# Altium PCB STM32Intf.PcbDoc (continued)
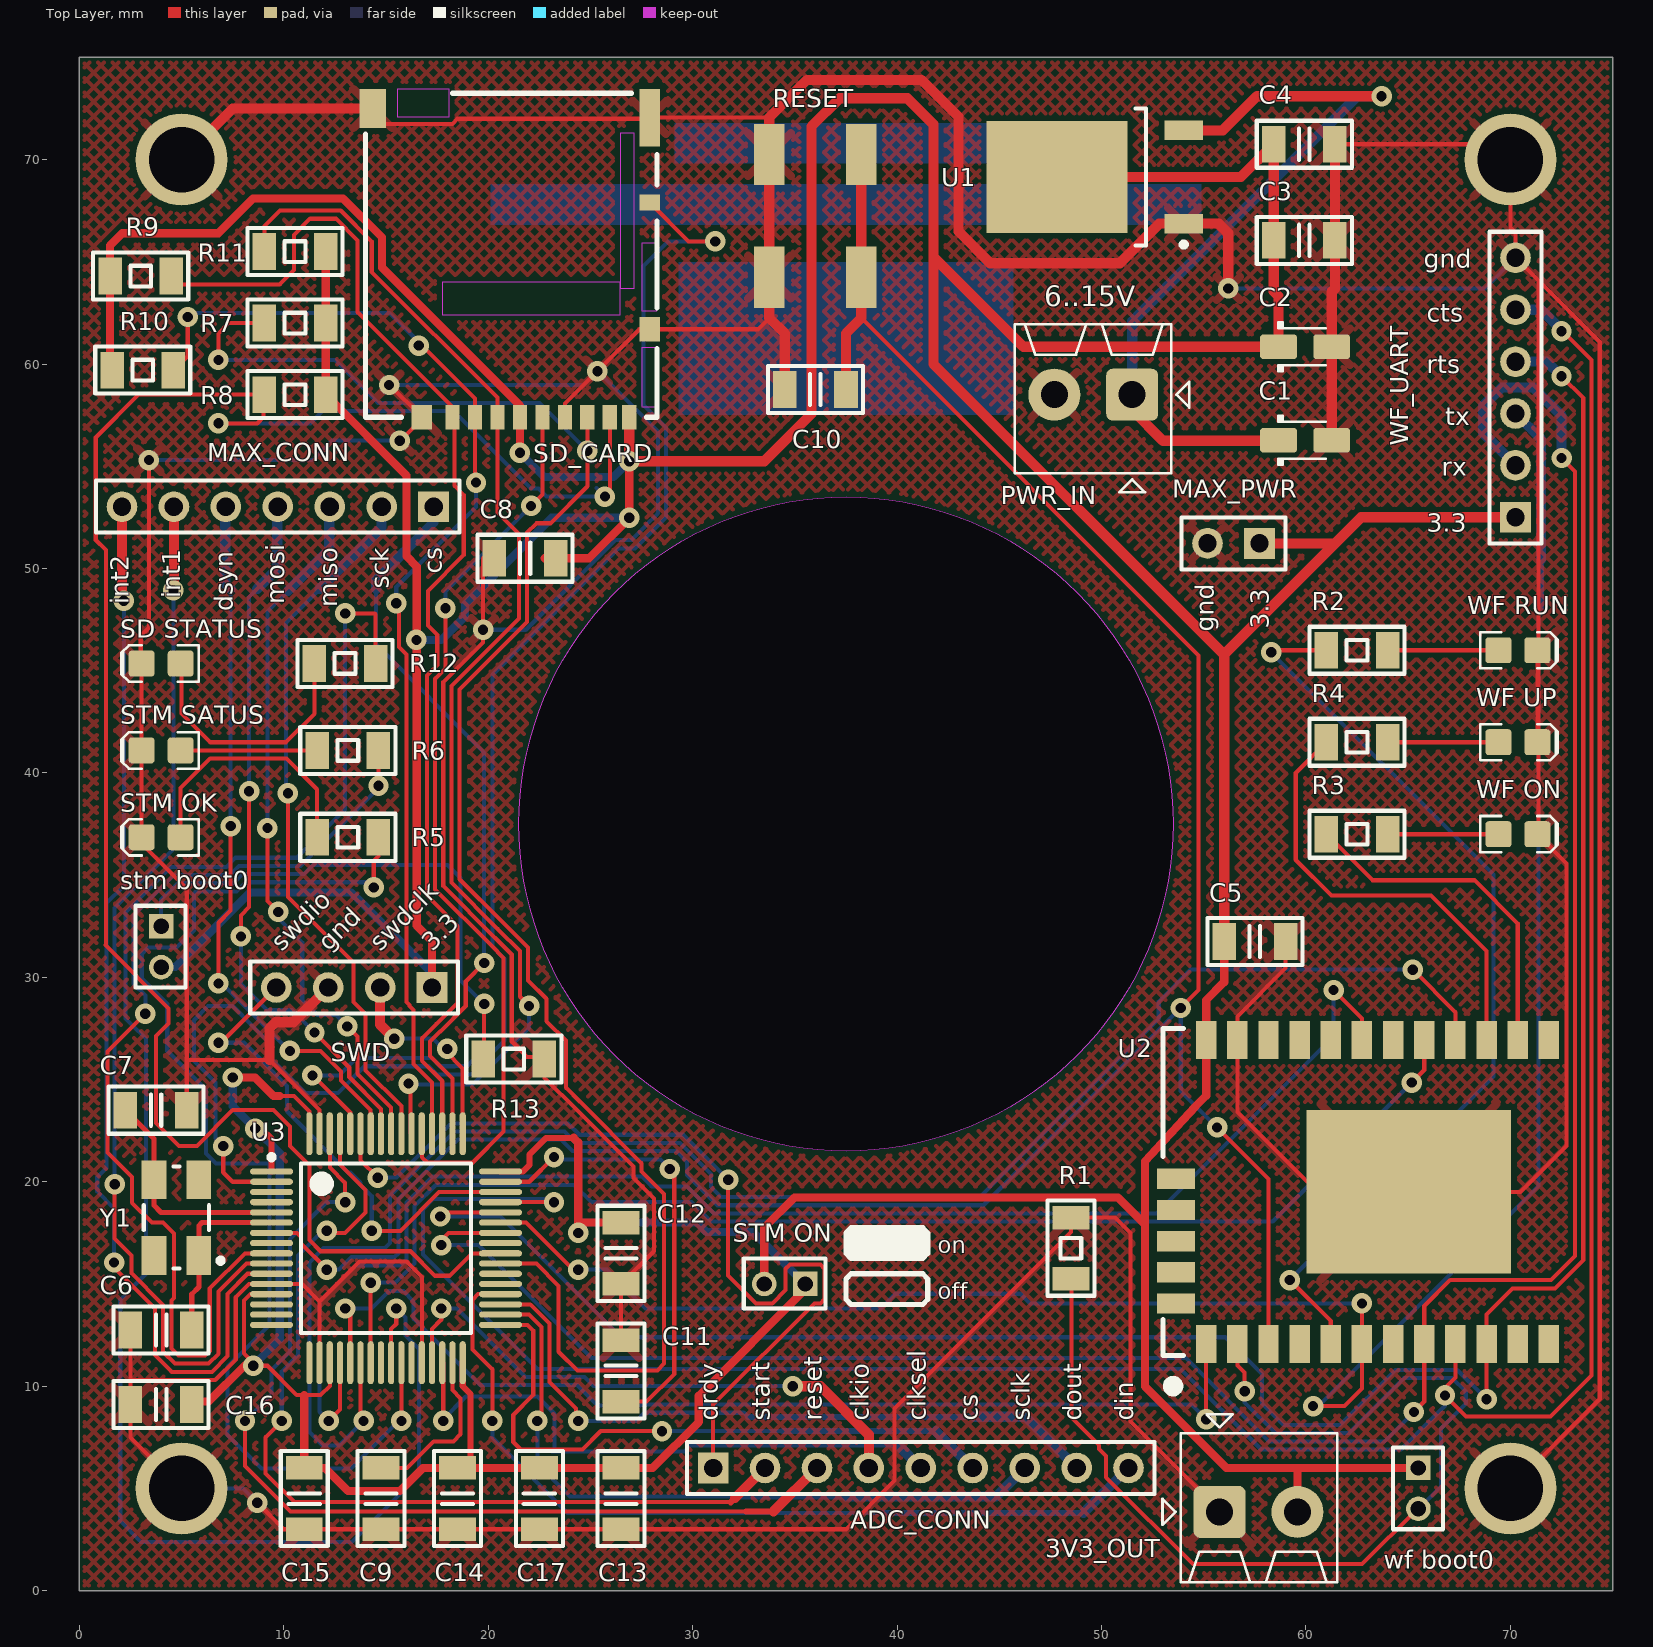
[diagram p0: Top Layer view]
## Nets (pads, with @x,y where several pads share a name; then routed paths per layer and width w, separated by ;. In a path a pad name is that pad's centre, name@x,y a point inside that pad or via, vN(x,y) a via of type N, cw(c..) or ccw(c..) an arc to the next point about the centre after c; other vN are vias at no path point)
3.3VDC: 3V3_OUT.2 "stm boot0.2" "STM ON.2" "wf boot0.1" C2.1 C3.1 C4.1 C5.1 C8.2 MAX_PWR.1 R7.1 R8.1 R9.1 R10.1 R11.1 SD_CARD.4 SD_CARD.9 SWD.1 U1.4 U2.24 WF_UART.1 | length 319.5
  Top Layer w0.4: R10.1@1.5,59.8 R9.1 1.5,65.8 2.1,66.4 6.8,66.4 8.5,68.1 12.9,68.1 14.8,66.2 14.8,64.714 21.55,57.964 SD_CARD.4 v1(21.55,55.659) ; R11.1 R7.1 R8.1 16,54.55 16,50.6 16.5,50.1 v1@16.5,46.5 ; v1(16.485,46.507) 16.5,46.492 16.5,32.532 17.25,31.782 SWD.1 ; C8.2@22.75,50.5 24.924,50.5 v1(26.9,52.476) v1(26.9,55.246) ; SD_CARD.9@26.9,57.379 SD_CARD.9 ; 33.5,15 33.5,17.752 34.976,19.228 50.8,19.228 52.121,17.907 ; C5.1 56,29.762 55.118,28.88 55.118,24.206 54.585,23.673 52.121,21.006 52.121,17.907 ; 59.525,5.95 59.585,5.89 3V3_OUT.2 ; 65.5,6 56.103,6 52.121,9.982 52.121,17.907
  Top Layer w0.5: SD_CARD.9@26.9,57.379 v1(26.9,55.246) 33.496,55.246 35.814,57.564 35.814,71.622 37.192,73 40.5,73 41.774,71.726 41.774,65.25 ; U1.4 56.818,69.149 C4.1 C3.1 58.419,63.561 58.658,63.322 C2.1 46.179,60.845 41.774,65.25 ; C5.1 56,45.8 ; MAX_PWR.1 61.425,51.225 ; 62.55,52.35 61.425,51.225 ; 62.562,52.363 62.7,52.5 WF_UART.1 ; 41.774,65.25 41.774,60 55.974,45.8 56,45.8 ; 56,45.8 61.425,51.225
  Bottom Layer w0.4: 4,30.5 4.7,30.5 8.35,34.15 13.3,34.15 13.444,34.006 13.45,34.006 17.25,30.206 SWD.1 ; v1(16.485,46.507) 17.704,46.507 18.857,47.661 18.857,48.245 23.089,52.476 v1(26.9,52.476) ; v1(21.55,55.659) 22.741,54.468 26.121,54.468 v1(26.9,55.246)
C\S\3: MAX_CONN.1 U3.50 | length 35.7
  Top Layer w0.2: U3.50 18.25,25.048 17.15,26.148 17.15,26.852 17.648,27.35 17.661,27.35 18.9,28.589 18.9,29.8 v1(19.8,30.7) v1@19.9,30.8
  Bottom Layer w0.2: 14.5,49 14.5,46.3 19.8,41 v1(19.8,30.7)
  Bottom Layer w0.5: 14.525,49 14.525,49.45 17.325,52.25 MAX_CONN.1
CLKIO: ADC_CONN.4 U3.29 | length 27.9
  Top Layer w0.2: U3.29 17.25,12.8 17.7,13.25 v1(17.7,13.8)
  Top Layer w0.5: v1(34.9,10) 36.25,10 38.62,7.63 ADC_CONN.4
  Bottom Layer w0.2: v1(17.7,13.8) 18.475,13.8 21.825,10.45 24.7,10.45 25.15,10 v1(34.9,10)
CLKSEL: ADC_CONN.5 U3.30 | length 33.3
  Top Layer w0.2: U3.30 17.8,11.1 v1@17.8,8.4
  Bottom Layer w0.2: v1@17.8,8.4 18.9,9.5 22.402,9.5 23.25,8.652 23.25,6.936 23.128,6.814 23.128,6.807 29.591,6.807 29.896,7.112 40.048,7.112
  Bottom Layer w0.3: 36.3,7.15 36.35,7.2 39.96,7.2
  Bottom Layer w0.5: 39.96,7.2 40.048,7.112 ADC_CONN.5
  other v1: 17.8,8.3
CS: ADC_CONN.6 U3.33 | length 31.3
  Top Layer w0.2: U3.33 21.925,13 22.2,12.725 22.2,9.574 21.223,8.597 21.223,7.264 21.59,6.897 24.601,6.897 25.504,7.8 v1(28.5,7.8)
  Bottom Layer w0.2: v1(28.5,7.8) 34.4,7.8
  Bottom Layer w0.3: 34.4,7.8 41.9,7.8
  Bottom Layer w0.5: 41.9,7.8 ADC_CONN.6
D\R\D\Y\: ADC_CONN.1 U3.59 | length 45.5
  Top Layer w0.2: U3.59 13.75,21.05 v1(14.6,20.2) ; ADC_CONN.1 31,9.1 35.95,14.05 36.245,14.05 36.45,14.255 36.45,15.745 36.245,15.95 34.755,15.95 34.55,15.745 34.55,14.706 33.894,14.05 33.106,14.05 31.737,15.419 v1(31.737,20.1)
  Bottom Layer w0.2: v1(14.6,20.2) 15.519,20.2 18.178,22.859 23.899,22.859 24.458,22.3 29.537,22.3 v1(31.737,20.1)
DIN: ADC_CONN.9 U3.36 | length 42.2
  Top Layer w0.2: v1(20.2,8.3) 20.2,10.827 19.228,11.8 19.228,14.224 19.504,14.5 U3.36
  Bottom Layer w0.2: v1(20.2,8.3) 20.2,7.486 23.886,3.8 39.2,3.8
  Bottom Layer w0.3: 39.2,3.8 49.12,3.8
  Bottom Layer w0.5: 49.12,3.8 ADC_CONN.9
DOUT: ADC_CONN.8 U3.35 | length 33.7
  Top Layer w0.2: U3.35 22.056,14 23,13.056 23,10.2 24.3,8.9 v1@24.3,8.3
  Bottom Layer w0.2: v1(24.4,8.3) 27.25,8.3 27.65,8.7 32.5,8.7 32.7,8.5
  Bottom Layer w0.3: 32.7,8.5 43.8,8.5
  Bottom Layer w0.5: 43.8,8.5 46.28,8.5 ADC_CONN.8
DSYNC: MAX_CONN.5 U3.58 | length 35.3
  Top Layer w0.2: v1(6.8,29.7) 6.8,32.67 7.4,33.27 v1(7.4,37.4) ; v1(10.3,26.4) 11.8,26.4 12.8,25.4 12.8,24.95 14.25,23.5 U3.58
  Bottom Layer w0.2: v1(6.8,29.7) 6.968,29.7 10.268,26.4 v1(10.3,26.4) ; 7.4,49 v1(7.4,37.4) v1@7.5,37.5
  Bottom Layer w0.5: MAX_CONN.5@7.175,53.05 7.14,53.015 7.14,49.26 7.4,49
GND: 3V3_OUT.1 "SD STATUS.K" "STM OK.K" "STM SATUS.K" "WF ON.K" "WF RUN.K" "WF UP.K" C1.2 C2.2 C3.2 C4.2 C5.2 C6.2 C7.2 C8.1 C9.2 C10.2 C11.2 C12.1 C13.1 C14.1 C15.1 C16.1 C17.1 MAX_PWR.2 pad.gnd PWR_IN.2 R1.2 R13.2 RESET.0 SD_CARD.6 SWD.3 U1.1 U2.23 U2.25 U3.12 U3.18 U3.28 U3.63 WF_UART.6 | length 516.1
  Top Layer w0.2: C6.2 2.5,7.5 pad.gnd@5,5 ; 2.575,10.3 6.646,10.3 7.65,11.304 7.65,11.384 7.65,14.009 7.65,14.352 8.298,15 U3.12 10.902,15 11.75,14.152 ; 3,45.4 3,46.7 3.4,47.1 v1(3.4,55.3) ; 3.048,45.4 3.048,45.35 3.048,36.552 5.25,34.35 5.25,26 ; C7.2 5.25,26 ; v1(8.7,4.3) 10,3 C15.1 12.852,3 37.5,3 39.878,5.378 39.878,8.915 48.514,17.551 R1.2@48.514,18.25 ; U3.18 11.75,13.9 11.75,14.152 ; U3.63 11.75,23.506 9.306,25.95 7.148,25.95 5.3,25.95 5.25,26 ; SD_CARD.6@14.35,71.75 18.245,71.75 18.495,72 27.85,72 27.9,72.05 27.9,72.06 33.75,72.06 ; v1(15.15,58.975) 15.15,59 16.75,57.4 16.75,57.3 v1@15.675,56.225 ; U3.28 16.75,15.35 16,16.1 13.698,16.1 12.95,15.352 12.95,15.348 12.452,14.85 12.448,14.85 11.75,14.152 ; v1(19.75,47) 19.75,47.965 ; C8.1@19.75,50.5 19.75,46.387 17.8,44.437 17.8,34.466 20.316,31.95 20.318,31.95 21.15,31.118 21.15,26.85 21.9,26.1 R13.2@22.7,26.1 ; R13.2 22.75,25.084 24.334,23.5 24.338,23.5 27.1,20.738 27.1,20.184 28.1,19.184 28.1,16.6 C12.1 C11.2 ; SD_CARD.6@23.75,57.4 23.75,58.063 v1(25.338,59.651) 27.387,61.7 ; SD_CARD.6@27.9,61.7 33.2,61.7 33.75,62.25 ; R1.2 R1.2@48.514,18.25 ; 3V3_OUT.1@54.69,5 51.41,8.28 51.41,17.503 50.663,18.25 R1.2@48.514,18.25 ; C5.2 59,30.45 56.642,28.092 56.642,23.419 60.561,19.5 70.5,19.5 72.75,21.75 72.75,35.572 71.322,37 71.374,37.052 71.374,64.076 ; C1.2@60.96,56.273 C1.2 ; C4.2@61.42,70 C4.2 69.249,70.751 70,70 70,66.675 70.25,66.425 WF_UART.6 71.374,64.076 ; pad.gnd@70,5 74.371,9.371 74.371,61.079 71.374,64.076 ; 71.322,41.5 71.322,46
  Top Layer w0.5: pad.gnd@5,70 7.5,72.5 SD_CARD.6@14.35,72.5 ; 9.306,25.95 9.3,25.956 9.3,27.5 9.6,27.8 10.47,27.8 SWD.3 ; C10.2 34.5,61.5 33.75,62.25 33.75,64.25 33.75,70.25 33.75,72.06 35.59,73.9 41.194,73.9 43,72.094 43,66.494 44.559,64.935 50.889,64.935 52.823,66.869 U1.1 55.731,66.869 56.2,66.4 v1(56.2,63.7) ; C1.2 61.258,58.5 61.258,63.563 61.313,63.563 61.42,63.67 C3.2 C4.2@61.42,70
  Bottom Layer w0.2: v1(3.4,55.3) 11.425,55.3 11.525,55.4 ; pad.gnd@5,5 8,5 v1(8.7,4.3) ; pad.gnd@5,70 pad.gnd@5.35,69.65 ; 11.525,55.425 12.35,56.25 v1(15.675,56.25) ; v1(15.15,58.975) 24.662,58.975 v1(25.338,59.651) 28.3,56.688 28.3,52.7 28.2,52.6 27.75,52.15 27.75,52.124 27.009,51.383 26.217,51.383 21.834,47 v1(19.75,47) ; v1(56.2,63.7) 68.75,63.7 WF_UART.6
INT1: MAX_CONN.6 U3.10 | length 56
  Top Layer w0.2: v1(1.725,19.875) 1.725,17.227 2.55,16.402 2.55,15.526 4.051,14.025 4.1,13.975 4.1,11.685 4.685,11.1 6.315,11.1 6.8,11.585 6.8,14.633 8.167,16 U3.10 ; v1(4.6,48.925) 4.6,52
  Top Layer w0.5: v1@4.625,48.9 MAX_CONN.6
  Bottom Layer w0.2: v1(1.725,19.875) 1.725,33.4 4.6,36.275 v1(4.6,48.925)
INT2: MAX_CONN.7 U3.11 | length 53.4
  Top Layer w0.2: v1(1.7,16.05) 1.45,16.05 3.7,13.8 3.7,11.519 4.519,10.7 6.481,10.7 7.25,11.469 7.25,12.619 7.25,13.844 7.25,14.518 8.232,15.5 U3.11
  Top Layer w0.5: MAX_CONN.7 2.085,48.54 v1@2.2,48.425
  Bottom Layer w0.2: v1(1.7,16.05) 1.7,18.698 0.875,19.523 0.875,20.227 1.325,20.677 1.325,33.625 2.175,34.475 v1(2.175,48.425)
MISO3: MAX_CONN.3 U3.56 | length 35
  Top Layer w0.2: v1(9.2,37.3) 9.2,33.732 9.73,33.202 v1(9.73,33.2) ; v1(13.1,27.6) 13.6,27.1 13.6,25.281 15.25,23.631 U3.56
  Bottom Layer w0.2: v1(9.2,37.3) 9.2,47.9 10.2,48.9 ; v1(9.73,33.2) 9.73,32.87 10.9,31.7 10.9,28.9 11.65,28.15 12.55,28.15 v1(13.1,27.6)
  Bottom Layer w0.5: 10.2,48.9 12.22,50.92 12.22,52.995 MAX_CONN.3@12.3,53.075
MOSI3: MAX_CONN.4 U3.57 | length 34.9
  Top Layer w0.2: v1(7.9,32) 7.9,33.03 8.3,33.43 v1(8.3,39.1) ; v1(11.5,27.3) 13.2,25.6 13.2,25.116 14.75,23.566 U3.57
  Bottom Layer w0.2: v1(7.9,32) 7.9,29.674 9.174,28.4 10.4,28.4 v1(11.5,27.3) ; v1(8.3,39.1) 8.3,48.6 8.7,49
  Bottom Layer w0.5: 8.7,49 9.68,49.98 9.68,52.92 MAX_CONN.4@9.675,52.925
NetC1_1: C1.1 PWR_IN.1 U1.3 | length 39.3
  Top Layer w0.5: PWR_IN.1 51.5,57.75 53,56.25 C1.1@58.5,56.25 ; U1.3 55.929,71.429 57.6,73.1 v1(63.7,73.1) ; C1.1@58.5,56.273 C1.1
  Bottom Layer w0.5: PWR_IN.1 51.5,62.1 62.5,73.1 v1(63.7,73.1)
NetC6_1: C6.1 U3.6 Y1.1 | length 8.9
  Top Layer w0.254: C6.1 5.5,14.5 5.85,14.85 Y1.1 5.85,17.85 6,18 U3.6
NetC7_1: C7.1 U3.5 Y1.3 | length 11.1
  Top Layer w0.254: C7.1 3.65,22.1 Y1.3 3.65,18.85 4,18.5 U3.5
NetC9_1: C9.1 U3.31 | length 8.2
  Top Layer w0.2: C9.1 16.032,6 17.332,7.3 18.3,7.3 18.65,7.65 18.65,9.404 18.25,9.804 U3.31
NetC11_1: C11.1 U3.47 | length 22.3
  Top Layer w0.2: U3.47 22.007,20 v1(23.216,21.209) ; C11.1 27.75,9.25 29.1,10.6 29.1,20.404 v1(28.879,20.625)
  Bottom Layer w0.2: v1(23.216,21.209) 23.344,21.081 28.423,21.081 v1(28.879,20.625)
NetC12_2: "STM ON.1" C12.2 C13.2 C14.2 C15.2 C16.2 C17.2 U3.1 U3.13 U3.19 U3.32 U3.48 U3.64 | length 100.6
  Top Layer w0.2: v1(8.5,11) 9.2,11 10.632,9.568 11,9.568 11.8,9.568 12.25,10.018 U3.19 ; v1@8.58,11.08 8.05,11.61 8.05,14.175 8.05,14.186 8.364,14.5 U3.13 ; 9.8,24.2 9.809,24.191 10.5,24.191 11.25,23.441 U3.64
  Top Layer w0.3: v1(8.6,22.6) 8.9,22.6 9.4,22.1 U3.1 ; U3.32 18.75,10.003 19.126,9.627 C14.2@19.126,6 ; U3.48 21.694,20.5 22.022,20.828 22.022,21.336 22.835,22.149 24.181,22.149
  Top Layer w0.4: C16.2@5.5,9.25 6.325,9.25 8.075,11 v1(8.5,11) ; v1(7.5,25.1) 8.6,25.1 9.5,24.2 9.8,24.2 ; 11,9.568 C15.2 12.014,6 13.139,4.875 15.675,4.875 16.8,6 19.126,6 C13.2 28.044,6 30.3,8.256 30.3,9.529 35.5,14.729 35.5,15 ; 24.181,22.149 24.4,21.93 v1@24.4,18 ; v1(24.4,17.5) v1@24.4,18 ; C12.2 v1@24.4,18
  Bottom Layer w0.4: v1(7.5,25.1) 7.5,23.7 v1(8.6,22.6) 9.8,21.4 9.8,12.3 v1(8.5,11) ; v1@24.4,18 30.231,18 30.681,17.55 32.95,17.55 35.5,15
NetR1_1: "wf boot0.2" R1.1 U2.2 | length 51.2
  Top Layer w0.2: R1.1 48.539,15.25 48.539,8.458 49.886,7.112 49.886,6.925 50.22,6.591 50.22,5.544 54.464,1.3 62.75,1.3 65.45,4 ; U2.2 56.642,11.021 57,10.663 v1(57,9.75) ; 65.5,4 65.45,4 ; 65.5,4.05 65.45,4
  Bottom Layer w0.2: v1(57,9.75) 57,9.2 58.5,7.7 62.1,7.7 64.8,10.4 67.154,10.4 67.818,9.736 67.818,9.144 66.599,7.925 66.599,5.099 65.5,4
NetR2_1: R2.1 U2.5 | length 46
  Top Layer w0.2: v1(58.3,45.9) 58.3,46 R2.1@60.869,46 ; v1(59.207,15.189) 61.214,13.183 U2.5
  Bottom Layer w0.2: v1(58.3,45.9) 69.176,35.024 69.176,25.158 v1(59.207,15.189)
NetR2_2: "WF RUN.A" R2.2 | length 5.5
  Top Layer w0.2: R2.2@63.869,46 69.417,46
NetR3_1: R3.1 U2.14 | length 16.9
  Top Layer w0.2: R3.1 63.25,34.75 68.25,34.75 70.358,32.642 U2.14
NetR3_2: "WF ON.A" R3.2 | length 5.4
  Top Layer w0.2: R3.2 69.417,37
NetR4_1: R4.1 U2.15 | length 21.9
  Top Layer w0.2: R4.1 59.5,40 59.5,35.75 61.25,34 66.125,34 68.834,31.291 U2.15
NetR4_2: "WF UP.A" R4.2 | length 5.5
  Top Layer w0.2: R4.2@63.869,41.5 69.417,41.5
NetR5_1: "STM OK.A" R5.1 | length 11.9
  Top Layer w0.2: 4.859,37.25 4.953,37.25 4.953,39.253 6.4,40.7 10.132,40.7 11.631,39.201 R5.1@11.631,37.25
NetR5_2: R5.2 U3.26 | length 58.3
  Top Layer w0.2: v1(14.4,34.4) 14.4,35.7 14.631,35.931 R5.2@14.631,37.25 ; v1@15.75,8.435 U3.26
  Bottom Layer w0.2: v1(14.4,34.4) 14.15,34.65 8.143,34.65 7.693,34.2 5.693,34.2 5.6,34.107 5.6,32.3 4.75,31.45 3.35,31.45 3.05,31.15 3.05,29.95 4.3,28.7 4.3,26.4 6.186,24.514 6.186,21.39 6.684,20.892 7.388,20.892 7.395,20.9 9.3,20.9 9.3,13 8.15,11.85 8.148,11.85 7.25,10.952 7.25,7.619 8.9,5.969 13.284,5.969 v1@15.75,8.435
  other v1: 15.75,8.3
NetR6_1: "STM SATUS.A" R6.1 | length 7.1
  Top Layer w0.2: 4.859,41.5 5.258,41.1 11.231,41.1 R6.1@11.631,41.5
NetR6_2: R6.2 U3.9 | length 49.6
  Top Layer w0.2: v1(3.226,28.219) 1.372,26.365 1.372,21.43 2.575,20.227 2.575,18.972 3.547,18 4.1,18 4.625,17.475 4.625,14.309 4.5,14.184 4.5,11.851 4.851,11.5 6.149,11.5 6.375,11.726 6.375,14.774 8.101,16.5 U3.9 ; v1(14.631,39.369) R6.2@14.631,41.5
  Bottom Layer w0.2: v1(3.226,28.219) 3.226,29.109 2.65,29.684 2.65,33.016 4.634,35 7.362,35 7.812,35.45 10.816,35.45 14.631,39.265 v1(14.631,39.369)
NetR12_1: "SD STATUS.A" R12.1 | length 13.4
  Top Layer w0.2: 4.953,45.75 5,45.702 5,42.9 6.4,41.5 10.1,41.5 11.492,42.892 R12.1@11.492,45.758
NetR12_2: R12.2 U3.25 | length 84.4
  Top Layer w0.2: v1(13,47.8) 14.45,47.8 14.492,47.758 R12.2@14.492,45.758 ; U3.25 15.25,12.8 15.5,13.05 v1(15.5,13.8)
  Bottom Layer w0.2: 3.25,26.993 3.25,15.5 2,14.25 2,3.407 3.02,2.388 13.335,2.388 16.612,5.664 16.612,11.811 15.95,12.473 15.95,13.35 v1(15.5,13.8) ; 3.25,27 2.881,27.369 2.874,27.369 2.25,27.993 2.25,33.181 4.469,35.4 7.196,35.4 7.646,35.85 10.65,35.85 13,38.2 v1(13,47.8)
NetR13_1: "stm boot0.1" R13.1 U3.60 | length 41.5
  Top Layer w0.2: v1(11.4,25.2) 11.436,25.2 13.25,23.386 U3.60 ; R13.1@19.8,25.9 v1(19.8,28.7)
  Bottom Layer w0.2: 4,32.5 4,33.8 4.8,34.6 7.527,34.6 7.977,35.05 10.981,35.05 11.431,35.5 18,35.5 18.65,34.85 18.65,29.85 v1(19.8,28.7) 19.8,26.5 18.95,25.65 18.716,25.65 18.7,25.666 18.368,25.666 18.352,25.65 17.648,25.65 17.248,26.05 13.55,26.05 12.7,25.2 v1(11.4,25.2)
NetU2_1: U2.1 U3.21 | length 52
  Top Layer w0.2: v1(13,13.8) 13.25,13.55 U3.21 ; v1(55.118,8.382) U2.1
  Bottom Layer w0.2: v1(13,13.8) 14.298,13.8 15.148,14.65 15.852,14.65 16.35,14.152 16.35,13.3 19.6,10.05 24.352,10.05 25.352,9.05 27.434,9.05 27.484,9.1 54.4,9.1 v1(55.118,8.382)
NetU2_16: U2.16 U3.22 | length 83.7
  Top Layer w0.2: U3.22 13.75,8.45 v1(13.9,8.3) ; v1(65.225,30.375) 67.31,28.29 U2.16
  Bottom Layer w0.2: v1(13.9,8.3) 12.7,7.1 11.9,7.1 11.25,7.75 11.25,16.052 11.948,16.75 14.95,16.75 15.2,17 15.2,19.315 18.344,22.459 23.733,22.459 24.292,21.9 29.372,21.9 30.887,20.384 30.887,19.748 31.385,19.25 44.059,19.25 52.8,27.991 52.8,28.822 54.353,30.375 v1(65.225,30.375)
NetU2_17: U2.17 U3.23 | length 64.4
  Top Layer w0.2: U3.23 v1(14.25,15.063) ; v1(65.175,24.85) 65.786,25.461 U2.17
  Bottom Layer w0.2: v1(14.25,15.063) 15.463,15.063 16.4,16 16.4,18.818 17.432,19.85 24.205,19.85 25.055,19 29.938,19 30.888,18.05 58.375,18.05 v1(65.175,24.85)
NetU2_19: U2.19 U3.20 | length 72.5
  Top Layer w0.2: v1(12.2,8.3) 12.75,8.85 U3.20 ; v1(61.35,29.375) 62.738,27.987 U2.19
  Bottom Layer w0.2: v1(12.2,8.3) 11.75,8.75 11.75,14.152 12.448,14.85 12.452,14.85 12.95,15.348 12.95,15.352 13.511,15.913 15.713,15.913 16,16.2 16,18.983 17.267,20.25 27.525,20.25 28,19.775 29.729,19.775 31.054,18.45 52.689,18.45 61.35,27.111 v1(61.35,29.375)
NRESET: C10.1 RESET.1 U2.3 U3.7 | length 126.3
  Top Layer w0.2: U3.7 10.654,17.5 10.85,17.304 10.85,16.982 12.1,15.732 v1(12.1,15.7) ; 38.25,62.25 54.75,45.75 54.75,29.375 v1(53.873,28.499) ; RESET.1@38.25,69.8 RESET.1@38.25,70.25 ; v1(55.651,22.657) 58.166,20.142 U2.3
  Top Layer w0.5: C10.1 37.5,61.5 38.25,62.25 38.25,64.25 RESET.1@38.25,69.8
  Bottom Layer w0.2: v1(12.1,15.7) 12.7,15.7 13.313,16.313 15.413,16.313 15.6,16.5 15.6,19.149 18.51,22.059 23.568,22.059 24.127,21.5 29.206,21.5 29.729,20.977 29.729,20.34 31.219,18.85 44.225,18.85 v1(53.873,28.499) 53.873,24.435 v1(55.651,22.657)
R\E\S\E\T\: ADC_CONN.3 U3.62 | length 48.9
  Top Layer w0.2: v1(8.1,8.3) 8.1,6.102 9.55,4.652 9.55,4.65 10.325,3.875 32.6,3.875 ; U3.62 12.25,20.7 13,19.95 v1(13,19)
  Top Layer w0.3: 32.6,3.875 33.955,3.875
  Top Layer w0.5: 33.955,3.875 ADC_CONN.3
  Bottom Layer w0.2: v1(8.1,8.3) 9.4,9.6 9.4,10.793 10.3,11.693 10.3,17.2 12.1,19 v1(13,19)
SCK3: MAX_CONN.2 U3.55 | length 35
  Top Layer w0.2: v1(10.2,39) 10.2,33.932 13.4,30.732 13.4,28.8 14,28.2 14,25.447 15.75,23.697 U3.55
  Bottom Layer w0.2: v1(10.2,39) 10.1,39.1 10.1,47.34 11.76,49
  Bottom Layer w0.5: 11.76,49 14.76,52 ; 14.75,51.975 14.785,52.01 MAX_CONN.2
SCLK: ADC_CONN.7 U3.34 | length 34.1
  Top Layer w0.2: U3.34 21.991,13.5 22.6,12.891 22.6,8.5 v1(22.4,8.3)
  Bottom Layer w0.2: v1(22.4,8.3) 22.4,6.2 24,4.6 32.2,4.6
  Bottom Layer w0.3: 32.2,4.6 37.5,4.6
  Bottom Layer w0.5: 37.5,4.6 44.84,4.6 ADC_CONN.7
SDIO_CARD_DETECT: SD_CARD.10 U3.2 | length 80.2
  Top Layer w0.2: v1(7.036,21.742) 7.036,20.464 7.5,20 U3.2 ; SD_CARD.10 29.8,66 v1(31.1,66)
  Bottom Layer w0.2: v1(7.036,21.742) 6.65,22.128 6.65,24.85 5.6,25.9 5.6,27.9 6.3,28.6 7.502,28.6 8.476,27.626 ; 8.475,27.625 9.4,26.7 9.4,26 10.55,24.85 10.55,24.848 11.048,24.35 12.65,24.35 13.95,25.65 17.082,25.65 17.482,25.25 19.15,25.25 20.8,26.9 20.8,30.902 20.2,31.502 20.2,42 ; 20.175,42.027 20.2,42.052 20.2,44.8 26.383,50.983 27.174,50.983 28.15,51.959 28.159,51.959 28.7,52.5 28.7,56.9 27.6,58 27.6,64.8 28.8,66 v1(31.1,66)
SDIO_CLK: SD_CARD.5 U3.53 | length 44.4
  Top Layer w0.2: U3.53 16.75,21.198 17.018,20.93 19.228,20.93 20.75,22.452 20.75,30.952 20.152,31.55 20.15,31.55 17.4,34.3 17.4,44.603 17.907,45.11 v1(17.907,48.057) ; v1(22.098,53.061) 22.65,53.613 SD_CARD.5
  Bottom Layer w0.2: v1(17.907,48.057) 17.907,48.87 v1(22.098,53.061)
SDIO_CMD: R11.2 SD_CARD.3 U3.54 | length 61.9
  Top Layer w0.2: R11.2 9.05,66.75 9.808,67.508 12.785,67.508 14.3,65.993 14.3,64.506 20.45,58.356 20.45,52.733 21.5,51.683 21.5,47.548 18.2,44.248 18.2,34.631 20.481,32.35 20.483,32.35 21.55,31.283 21.55,29.05 v1(22,28.6) ; v1(16.1,24.8) v1@16.1,25 ; v1@16.2,25.1 16.2,22.4 U3.54
  Bottom Layer w0.2: v1(16.1,24.8) 16.15,24.75 18.6,24.75 19.225,24.75 22,27.525 v1(22,28.6)
SDIO_D0: R7.2 SD_CARD.7 U3.39 | length 89.3
  Top Layer w0.2: v1(6.8,60.2) 6.8,61.5 7.3,62 R7.2 ; U3.39 22.352,16 23.444,14.908 23.444,11.684 24.359,10.77 28.27,10.77 28.6,11.1 28.6,19.4 27.5,20.5 27.5,20.904 24.502,23.902 ; 24.5,23.9 23.8,24.6 23.8,26.9 22.85,27.85 22.85,28.952 21.95,29.852 21.95,31.449 20.649,32.75 20.647,32.75 18.6,34.797 18.6,44.082 21.9,47.382 21.9,51.759 22.352,52.211 23.039,52.211 24.85,54.022 v1(24.85,55.753) SD_CARD.7
  Bottom Layer w0.2: v1(6.8,60.2) 12.5,60.2 14.6,58.1 22.503,58.1 v1(24.85,55.753)
SDIO_D1: R8.2 SD_CARD.8 U3.40 | length 97.8
  Top Layer w0.2: v1(6.8,57.1) 8.7,57.1 9,57.4 9,58.5 2.9,58.5 0.8,56.4 0.8,51.4 1.3,50.9 1.3,31.6 1.275,31.575 4.369,28.481 4.369,27.75 3.75,27.131 3.75,22.869 4.869,21.75 5.75,21.75 7.5,23.5 9.5,23.5 10.3,22.7 10.3,21.75 11.25,20.8 11.25,17.148 11.798,16.6 16.2,16.6 17.4,15.4 18.1,15.4 19.2,16.5 U3.40 ; v1(25.705,53.518) 25.95,53.763 SD_CARD.8
  Bottom Layer w0.2: v1(6.8,57.1) 11.3,57.1 11.9,57.7 18.3,57.7 22.089,53.911 22.45,53.911 22.843,53.518 v1(25.705,53.518) 25.287,53.935
SDIO_D2: R9.2 SD_CARD.1 U3.51 | length 60.8
  Top Layer w0.2: R9.2 4.9,63.9 9.8,63.9 10.5,64.6 10.5,66.317 11.292,67.108 12.546,67.108 13.614,66.04 13.614,62.535 18.2,57.949 SD_CARD.1@18.2,57.4 ; U3.51 17.75,24.918 16.75,25.918 16.75,27.018 17.482,27.75 17.495,27.75 18.5,28.755 18.5,32.5 17,34 17,44.769 17.507,45.276 17.507,46.75 17.05,47.207 17.05,48.907 18.8,50.657 18.8,53.598 18.35,54.048 18.35,57.3 SD_CARD.1
SDIO_D3: R10.2 SD_CARD.2 U3.52 | length 57.2
  Top Layer w0.2: R10.2 5.3,60.4 v1(5.3,62.3) ; v1(15.5,48.3) 15.635,48.165 15.635,46.155 16,45.79 16,28.8 16.15,28.65 16.15,28.605 16.35,28.405 16.35,25.752 17.25,24.852 U3.52 ; v1(16.6,60.9) 16.769,60.9 19.35,58.318 SD_CARD.2 19.35,54.25 v1(19.4,54.2)
  Bottom Layer w0.2: v1(5.3,62.3) 5.5,62.5 15.168,62.5 16.6,61.068 v1(16.6,60.9) ; v1(15.5,48.3) 15.5,49.1 19.4,53 v1(19.4,54.2)
START: ADC_CONN.2 U3.61 | length 45.3
  Top Layer w0.2: v1(9.9,8.3) 9.1,7.5 9.1,5.738 10.513,4.325 31.865,4.325 ; v1@12.1,17.5 13,17.5 13.45,17.95 13.45,17.952 14,18.502 14,19.598 13.75,19.848 13.75,19.85 12.75,20.85 U3.61
  Top Layer w0.3: 31.865,4.325 32.07,4.53
  Top Layer w0.5: 32.07,4.53 ADC_CONN.2
  Bottom Layer w0.2: v1(9.9,8.3) 9.9,10.727 10.7,11.527 10.7,16.4 v1@11.8,17.5
  other v1: 12.1,17.6
SWDCLK: SWD.2 U3.49 | length 10
  Top Layer w0.2: v1@17.9,26.4 18.75,25.55 U3.49
  Top Layer w0.5: SWD.2@14.7,29.5 14.7,27.7 v1(15.4,27)
  Bottom Layer w0.2: v1(15.4,27) 17.3,27 17.8,26.5 v1(18,26.5)
SWDIO: SWD.4 U3.46 | length 24.7
  Top Layer w0.2: v1(6.8,26.8) 6.93,26.8 SWD.4 SWD.4@9.63,28.93 ; v1(14.3,17.6) 15.7,17.6 17.6,19.5 U3.46
  Bottom Layer w0.2: v1(6.8,26.8) 8.05,26.8 9,25.85 9,25.834 10.15,24.684 10.15,23.448 13.148,20.45 13.252,20.45 13.75,19.952 13.75,19.848 14.3,19.298 v1(14.3,17.6)
UART_CTS_WF: U2.9 U3.45 WF_UART.5 | length 132.4
  Top Layer w0.2: U3.45 v1(23.216,19) ; U2.9 67.31,10.425 66.802,9.917 v1(66.802,9.55) 67.836,8.516 71.962,8.516 73.965,10.519 73.965,60.198 72.563,61.6 v1(72.5,61.6)
  Bottom Layer w0.2: v1(23.216,19) 23.066,19.15 17.298,19.15 16.8,18.652 16.8,16.449 22.399,10.85 53.862,10.85 57.812,6.9 64.66,6.9 66.802,9.042 v1(66.802,9.55)
  Bottom Layer w0.5: WF_UART.5 71.503,62.66 v1@72.531,61.631
UART_RTS_WF: U2.10 U3.44 WF_UART.4 | length 117.6
  Top Layer w0.2: v1(17.65,18.3) 17.45,18.5 U3.44 ; v1(68.834,9.366) 68.834,13.513 70.104,14.783 72.173,14.783 73.565,16.175 73.565,58.335 v1(72.5,59.4)
  Bottom Layer w0.2: v1(17.65,18.3) 20.598,18.3 26.503,12.395 56.05,12.395 57.85,10.595 57.85,9.15 58.9,8.1 61.675,8.1 64.375,10.8 67.4,10.8 v1(68.834,9.366)
  Bottom Layer w0.5: WF_UART.4 71.78,60.12 v1(72.5,59.4)
UART_RX_WF: U2.8 U3.42 WF_UART.2 | length 119.3
  Top Layer w0.2: v1(17.7,16.9) 17.452,16.9 18.052,17.5 U3.42 ; v1(65.278,8.738) 65.786,9.246 65.786,13.919 67.056,15.189 71.977,15.189 73.165,16.377 73.165,54.741 v1(72.504,55.403)
  Bottom Layer w0.2: v1(17.7,16.9) 19.524,16.9 25.047,11.377 54.123,11.377 58.2,7.3 63.84,7.3 v1(65.278,8.738)
  Bottom Layer w0.5: WF_UART.2 68.675,56.615 68.675,57.956 69.569,58.85 71.122,58.85 72.504,57.468 v1(72.504,55.403)
UART_TX_WF: U2.6 U3.43 WF_UART.3 | length 105.1
  Top Layer w0.2: U3.43 21.853,18 24.153,15.7 v1(24.4,15.7) ; v1(60.35,9.025) 61.875,9.025 62.738,9.888 v1(62.738,14.046)
  Bottom Layer w0.2: v1(24.4,15.7) 25.806,15.7 27.7,13.806 39.211,13.806 39.926,14.521 46.025,14.521 46.5,14.046 v1(62.738,14.046) ; v1(60.35,9.025) 60.612,9.025 71.374,19.787 71.374,47.876
  Bottom Layer w0.3: 71.5,47.876 71.5,50.426
  Bottom Layer w0.5: WF_UART.3 71.5,56.33 71.5,50.426
pads on no net: "SD STATUS.0" "STM OK.0" "STM SATUS.0" "WF ON.0" "WF RUN.0" "WF UP.0" C1.0 C2.0 U2.4 U2.7 U2.11 U2.12 U2.13 U2.18 U2.20 U2.21 U2.22 U2.26 U2.27 U2.28 U2.29 U2.30 U3.3 U3.4 U3.8 U3.14 U3.15 U3.16 U3.17 U3.24 U3.27 U3.37 U3.38 U3.41 Y1.2 Y1.4

## Polygon pours and split planes (outlines as drawn)
GND on Top Layer "top_gnd_polygon" (hatched 45Degree grid 0.5 track 0.2, pour order 6): 0.25,0.25 0.25,74.75 74.75,74.75 74.75,0.25
GND on Bottom Layer "top_gnd_polygon" (hatched 45Degree grid 0.5 track 0.2, pour order 8): 0.25,74.75 74.75,74.75 74.75,0.25 0.25,0.25

## Other copper
Bottom Layer:
  rectangle: 29.3,57.5 45.7,65
  rectangle: 29.1,69.8 45.9,71.8
  rectangle: 20.1,66.8 54.9,68.8

## Silkscreen, mask and mechanical layers (free items; w line width, h text height)
Top Overlay:
  region: 37.75,17.75 41.25,17.75 41.5,17.5 41.5,16.5 41.25,16.25 37.75,16.25 37.5,16.5 37.5,17.5
  lines w0.254: 37.75,15.5 37.75,15.5 ; 37.75,15.5 37.5,15.25 37.5,14.25 37.75,14 41.25,14 41.5,14.25 41.5,15.25 41.25,15.5 ; 37.75,15.5 41.25,15.5 ; 41.25,15.5 41.25,15.5 ; 37.5,16.5 37.5,17.5 37.75,17.75 41.25,17.75 41.5,17.5 41.5,16.5 41.25,16.25 37.75,16.25 37.5,16.5
  text "gnd" at 65.754,64.706 h0.9
  text "6..15V" at 47.2,62.825 h1
  text "cts" at 65.904,62.056 h0.9
  text "rts" at 65.904,59.556 h0.9
  text "tx" at 66.804,57.011 h0.9
  text "rx" at 66.654,54.546 h0.9
  text "3.3" at 65.904,51.806 h0.9
  text "cs" at 17.725,49.749 h0.9 r90
  text "sck" at 15.125,48.999 h0.9 r90
  text "int1" at 4.925,48.549 h0.9 r90
  text "int2" at 2.425,48.249 h0.9 r90
  text "mosi" at 10.025,48.249 h0.9 r90
  text "miso" at 12.625,48.099 h0.9 r90
  text "dsyn" at 7.5,47.9 h0.9 r90
  text "3.3" at 58.175,47.05 h0.9 r90
  text "gnd" at 55.5,46.9 h0.9 r90
  text "swdio" at 9.902,31.238 h0.9 r45
  text "gnd" at 12.188,31.238 h0.9 r45
  text "swdclk" at 14.728,31.238 h0.9 r45
  text "3.3" at 17.268,31.238 h0.9 r45
  text "on" at 42,16.5 h0.8
  text "off" at 42,14.25 h0.8
  text "drdy" at 31.238,8.314 h0.9 r90
  text "start" at 33.778,8.314 h0.9 r90
  text "reset" at 36.318,8.314 h0.9 r90
  text "clkio" at 38.604,8.314 h0.9 r90
  text "clksel" at 41.398,8.314 h0.9 r90
  text "cs" at 43.938,8.314 h0.9 r90
  text "sclk" at 46.478,8.314 h0.9 r90
  text "dout" at 49.018,8.314 h0.9 r90
  text "din" at 51.558,8.314 h0.9 r90
Bottom Solder:
  text "InviewLab 2014" at 45.709,70 h3
  text "STM32 IO board with Wi-Fi. rev3" at 54.733,67 h3
  text "ivovk" at 45.523,57.7 h1.52
Mechanical 1:
  circle w0.254: c37.5,37.5 r16
  lines w0.254: 0,0 0,75 75,75 75,0 0,0